# Altium PCB SmartIMU_I2C_Pcb.PcbDoc (continued)
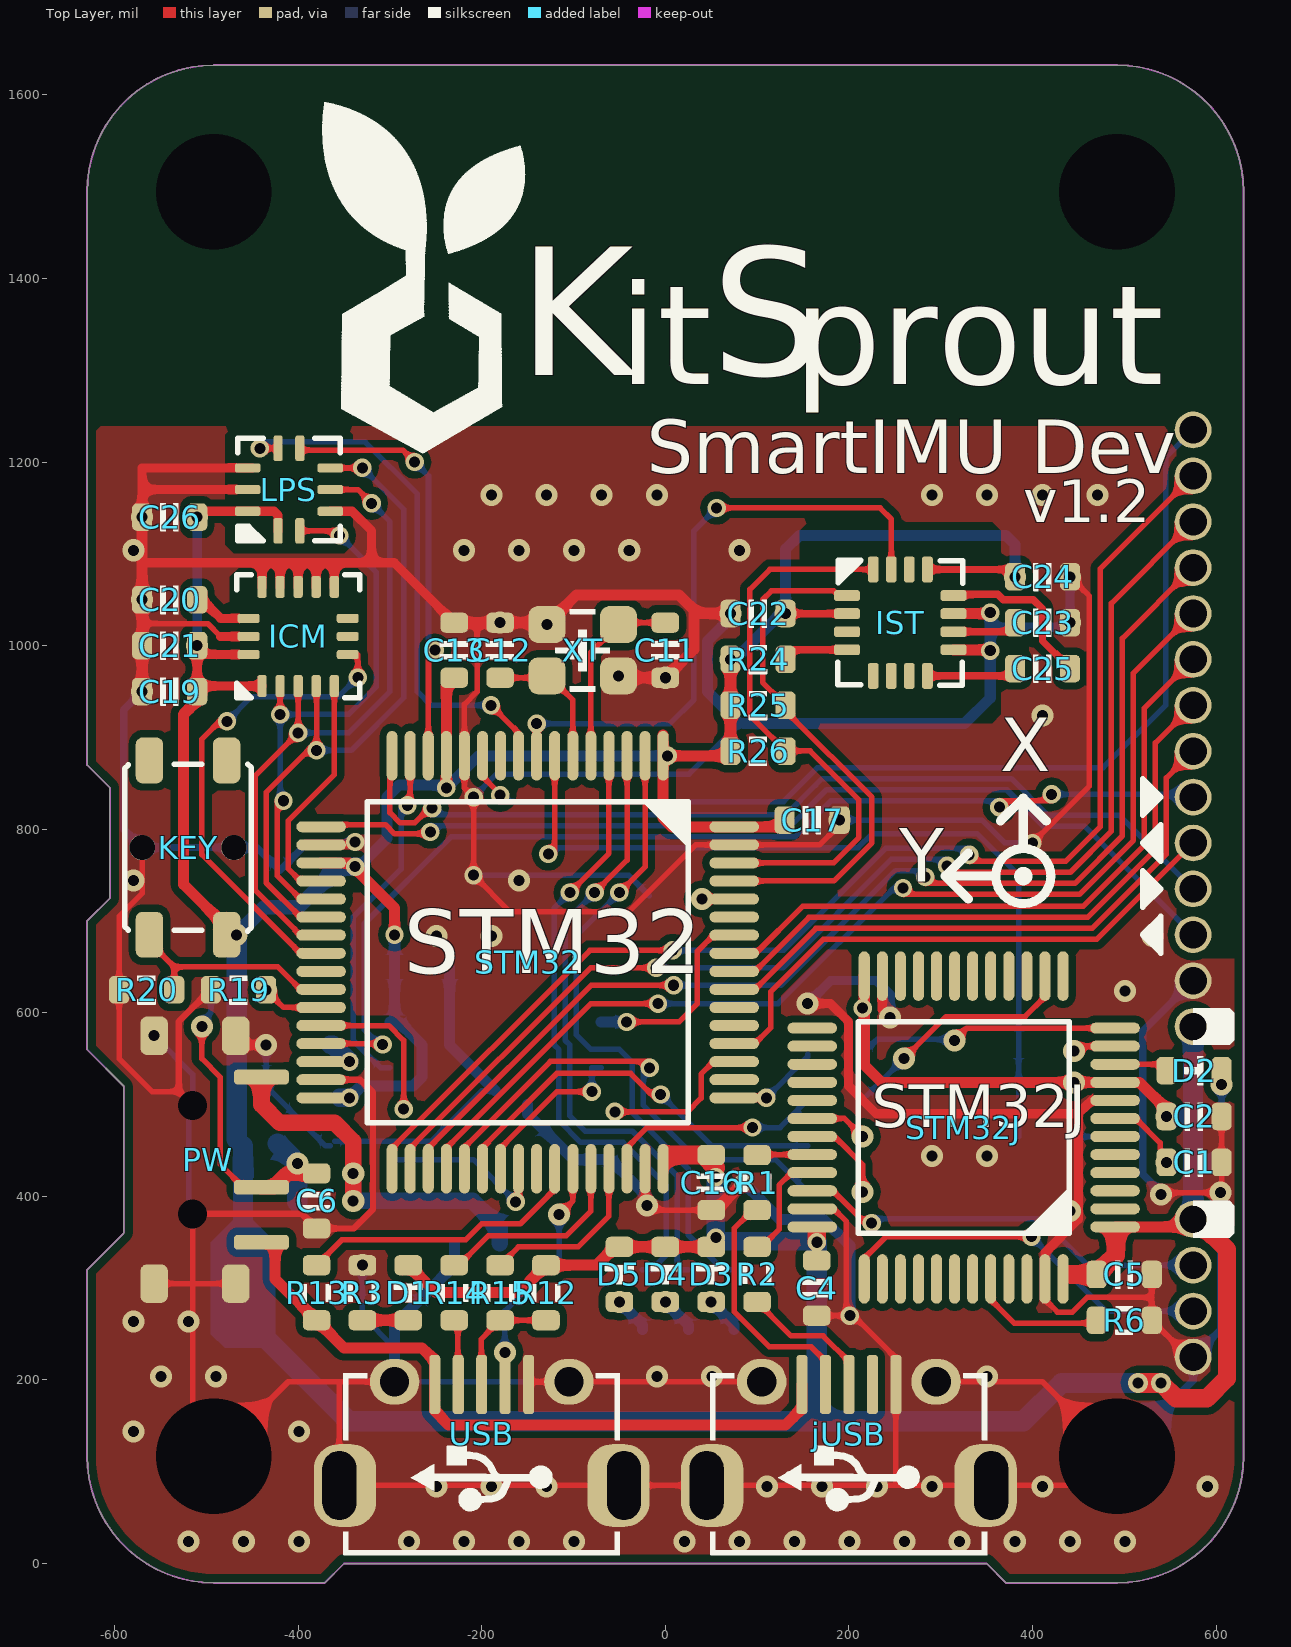
[diagram p0: Top Layer view]
## Footprints (in the part's own frame and the unit in brackets; to place one, negate y for a bottom-side part, rotate by r counter-clockwise, add the part's x,y. Pads: shape width x height; smd on the part's side, far side on the other; paste and mask are expansions set on the pad) (continued)
SOT89-3 [mil]
  rrect50% 60x22 smd: 1(-64,59.06) 3(-64,-59.06)
  rrect50% 60x24 smd: 2(-64,0)
  Top Layer region: -45,10 -20,35 80,35 95,20 95,-20 80,-35 -20,-35 -45,-10
  silkscreen extent -50,-90 50,90, body extent -83,-88 75,88, height 60
SwitchSPDT_2.8X6.6_90 [mil]
  rrect50% 42x30 smd: 0(-135,-42) 0(-135,47) 0(135,-42) 0(135,47)
  round 10 hole 31.5: 0(-59.06,0) 0(59.06,0)
  rrect50% 16x60 smd: 1(90,75) 2(30,75) 3(-90,75)
  body extent -152,-111 151,86, height 55
USB_Micro-AB [mil]
  rrect80% 68x90 hole 37 slot 75 at 90 deg copper offset 6,0 mask+0: 0(-155,10)
  oval 54x50 hole 32 mask+0: 0(-95,-103) 0(95,-103)
  rrect80% 68x90 hole 37 slot 75 at 90 deg copper offset -6,0 mask+0: 0(155,10)
  rrect50% 12x64 smd: 1(51.18,-100) 2(25.59,-100) 3(0,-100) 4(-25.59,-100) 5(-51.18,-100)
  silkscreen extent -150,-113 150,86, body extent -161,-109 161,104, height 108
XT_2520_4 [mil]
  rrect50% 40x40 smd: 1(39,28) 2(-39,28) 3(-39,-28) 4(39,-28)
  silkscreen extent -30,-44 30,44, body extent -49,-39 49,39, height 31

## Part data
BATIN: "MX"
C1 C2 C3 C4 C5 C6 C7 C8 C9 C10 C11 C12 C13 C14 C15 C16 C17 C18 C19 C20 C21 C22 C23 C24 C25 C26: "Capacitor"
D1 D2 D3 D4 D5: "LED"
ICM: "Sensor Motion"
IST: "Sensor Magnetometer"
jUSB USB: "USB"
KEY: "Button"
LPS: "Sensor Pressure"
PW: "Switch"
R1 R2 R3 R4 R5 R6 R7 R8 R9 R10 R11 R12 R13 R14 R15 R16 R17 R18 R19 R20 R21 R22 R23 R24 R25 R26: "Resistor"
STM32: library part STM32F412R/446R, "MCU"
STM32J: library part STM32F103C, "MCU"
W25Q: library part W25Q_8, "FLASH"
XC: "Power"
XT: "Crystal Oscillator"

## Free pads (board coordinates)
  round 115 hole 126 paste+0 mask+0: 0(-492.13,116.69) 0(492.13,116.69)
  round 115 hole 126 unplated paste+0 mask+0: 0(-492.13,1494.65) 0(492.13,1494.65)
  round 40 hole 30: 0(575,225) 0(575,275) 0(575,325) 0(575,375) 0(575,585) 0(575,635) 0(575,685) 0(575,735) 0(575,785) 0(575,835) 0(575,885) 0(575,935) 0(575,985) 0(575,1035) 0(575,1085) 0(575,1135) 0(575,1185) 0(575,1235)

## Via types
v1: diameter 24, hole 12, Top Layer to Bottom Layer, tented both sides, 103 vias
v2: diameter 20, hole 12, Top Layer to Bottom Layer, tented both sides, 63 vias
v3: diameter 22, hole 12, Top Layer to Bottom Layer, tented both sides, 2 vias

## Nets (pads, with @x,y where several pads share a name; then routed paths per layer and width w, separated by ;. In a path a pad name is that pad's centre, name@x,y a point inside that pad or via, vN(x,y) a via of type N, cw(c..) or ccw(c..) an arc to the next point about the centre after c; other vN are vias at no path point)
3V3: C2.2 C3.2 C4.2 C5.2 C8.2 C13.1 C14.1 C15.1 C16.1 C17.2 C18.1 C19.1 C21.1 C22.1 C24.1 C26.1 D1.1 D3.1 D4.1 D5.1 ICM.1 ICM.16 IST.2 IST.13 KEY.2 LPS.1 LPS.10 pad.0@575,375 pad.0@575,585 R4.2 R5.2 R12.1 R16.2 R24.2 R25.1 R26.1 STM32.1 STM32.13 STM32.19 STM32.32 STM32.48 STM32.64 STM32J.1 STM32J.9 STM32J.24 STM32J.36 STM32J.48 W25Q.8 XC.2 | length 6248.4
  Top Layer w8: C22.1@141,1034.84 IST.2 ; IST.13 373,1083 v1(381,1075)
  Top Layer w10: -498.62,1146.38 LPS.10 -426.38,1146.38 -421.81,1141.81 LPS.1 ; ICM.16 -500.31,990.31 v1(-510,1000) C19.1 -504,956 ICM.1
  Top Layer w12: C19.1 -510,940 -525,925 -525,740 -478,693 KEY.2 ; STM32.19 -344,763.27 -295,714.27 v2(-295,685) ; D1.1 -250,295 -160,295 R12.1 -75,325 -55,345 D5.1 D4.1 D3.1 ; v2(-238.58,845) STM32.13 -238.58,956.42 C13.1 ; STM32.1@-2.36,902.64 STM32.1 -2.36,812.36 7.36,802.64 STM32.64 C17.2@127.36,802.64 ; v2(2.64,880) 66,880 R26.1 R25.1 v1(71,985) ; STM32J.24 216.73,543.27 235.79,524.21 v1(445,524.21) STM32J.9 516.79,524.21 C2.2@546,495 ; STM32J.1@490.94,366.73 pad.0@566.73,366.73
  Top Layer w20: STM32.48@2,445 41,445 55,431 ; v2(165,350) 165,360.36 ; 439.64,315 C5.2 490.94,335.94 STM32J.1@490.94,361.73 ; v3(540,196.69) 556.69,180 590,180 612,202 612,341.9 pad.0@576.95,376.95
  Top Layer w22: v3(515,196.69) v3(540,196.69) ; pad.0@575,380 pad.0@577.48,377.18
  Bottom Layer w10: v1(-510,1000) v1(-510,1140)
  Bottom Layer w12: v2(-344,507.36) -331.36,520 -275,520 -265,530 -265,565 -290,590 W25Q.8@-295,590 ; v2@-334.19,763.08 v2@-334.11,763 ; -328.89,764 -303,789.89 -303,835.02 -290.02,848 v2@-238.58,848 ; W25Q.8 W25Q.8@-295,590 ; v2(-295,685) C18.1 W25Q.8@-295,590 ; v2(-238.58,845) -203.58,880 v2(2.64,880) ; v1@76,985 v1@126,1035 ; v1(131,1035) 131,1105 146,1120 371,1120 381,1110 v1(381,1075)
  Bottom Layer w16: v1(-467,685) -437,715 -400,715 C14.1 ; v1(546,487) 575,487 ; 575,437 R5.2
  Bottom Layer w20: C14.1@-355.73,759.27 v2(-338,759.27) ; C15.1@-354.8,507.36 v2(-344,507.36) ; v2(55,421) v2(55,355) 59,351 164,351 v2(165,350) ; R4.2@546,486 v1(546,487)
  Bottom Layer w22: C8.2@-467,462 v1(-467,685) ; C8.2@-460,455 XC.2 -460,270 -345,155 165,155 ; v2(165,350) 165,155 ; v3(540,196.69) v3(515,196.69) 431.69,196.69 390,155 165,155 ; pad.0@575,373 575,375 575,437 575,487 ; 575,488 pad.0@575,585
  other v2: 215,605
ADC: R18.2 R19.1 STM32.27 | length 68
  Top Layer w6: v1(-435,625) -415.79,605.79 STM32.27
BOOT: R17.2 STM32.60 | length 35
  Top Layer w6: v1(40,723.9) STM32.60
F_CLK: STM32.28 W25Q.6 | length 171.7
  Top Layer w6: STM32.28 -301.1,586.1 -285,570 v2(-285,495)
F_CS: STM32.58 W25Q.1 | length 217.6
  Top Layer w6: v2(-42.06,590) 15,590 35,610 35,667.06 52.47,684.53 STM32.58
  Bottom Layer w12: W25Q.1 v2(-42.06,590)
F_D0: STM32.40 W25Q.5 | length 193.4
  Top Layer w6: v2(-163,394) -159.84,397.16 STM32.40
  Bottom Layer w6: W25Q.5 -209,440 v2(-163,394)
F_D1: STM32.51 W25Q.3 | length 168.1
  Top Layer w6: v2(-55,492) 24,492 39,507 39,533.26 52.47,546.73 STM32.51
F_D2: STM32.39 W25Q.2 | length 183.6
  Top Layer w6: STM32.39 -179.53,452.66 -118.19,514 v2(-80,514)
  Bottom Layer w6: v2(-80,514) -80,540 W25Q.2
F_D3: STM32.15 W25Q.7 | length 382.2
  Top Layer w6: v2(-280.95,825.95) -277.95,828.95 STM32.15
  Bottom Layer w6: W25Q.7 -310,540 -340,570 -340,704.49 -287.95,756.54 v2@-287.95,822.95
GND: BATIN.0 BATIN.2 C1.1 C2.1 C3.1 C4.1 C5.1 C6.1 C7.1 C8.1 C9.1 C10.2 C11.2 C12.2 C13.2 C14.2 C15.2 C16.2 C17.1 C18.2 C19.2 C20.2 C21.2 C22.2 C23.2 C24.2 C26.2 ICM.9 ICM.10 ICM.11 ICM.12 ICM.13 ICM.15 IST.9 IST.11 jUSB.0 jUSB.5 KEY.0 LPS.3 LPS.8 LPS.9 pad.0@492.13,116.69 pad.0@575,225 pad.0@575,635 pad.0@-492.13,116.69 PW.0 R3.1 R6.1 R17.1 R19.2 R20.1 STM32.12 STM32.18 STM32.31 STM32.47 STM32.63 STM32J.8 STM32J.23 STM32J.35 STM32J.47 USB.0 USB.5 W25Q.4 W25Q.9 XC.1 XT.2 XT.4 | length 11687.2
  Top Layer w6: KEY.0@-570,780 -570,730 -595,705 R20.1 -595,550 -559.06,514.06 -530,514.06 ; -570,1024 -498.49,1024 -484.49,1010 ; PW.0@-557,305 -515,305 ; PW.0@-515,380.94 -515,305 ; PW.0@-468,305 -515,305 ; PW.0@-468,575 PW.0@-458,565 ; USB.0@-295.47,198 -355,198 ; v2(-209,750) -169,710 -40,710 32.95,782.95 STM32.63 167.95,782.95 C17.1@190,805 ; v2@-208.9,750 v2(-208.9,835) -218.9,845 STM32.12 -218.9,936.1 -205,950 -205,1025 ; USB.5 -145.82,198 -105,198 105,198 jUSB.0@105.47,198 ; STM32.47 -22.05,392.05 v1(-20,390) -15,385 C16.2 ; STM32J.35 183.58,386.42 196.94,373.06 v2@196.94,270 ; C4.1 v2@196.94,270 ; C17.1@190,805.27 v1(190,810) ; jUSB.0@295.47,198 410.82,198 pad.0@492.13,116.69 ; v2(400,785) 462,847 462,1054 v1(441,1075) ; STM32J.47 413.58,287.47 427.05,274 443.49,274 459.49,290 530,290 ; pad.0@492.13,142.13 pad.0@492.13,116.69 ; C5.1 530,290 ; v1@540,404 v1(605,404) ; pad.0@575,225 570,225 R6.1 530,290 ; v1@606,402 C1.1 C2.1 ; -515,305 -515,139.57 -492.13,116.69 -410.82,198 -355,198 ; -355,198 -355.47,197.53 -355.47,85 -355,85 -45,85 45,85 251.18,85 ; v2@196.94,270 v2(200.97,270) 205,270 251.18,223.82 jUSB.5 251.18,85 ; 251.18,85 355,85 460.43,85 pad.0@492.13,116.69
  Top Layer w7: PW.0@-515,380.94 -395.94,380.94 C6.1 -339.59,365 -318.5,386.09 -318.5,513.11 -332.44,527.05 STM32.31 ; PW.0@-515,499.06 -530,514.06 -530,590.41 -495.41,625 R19.2
  Top Layer w8: STM32.18 -342.05,782.95 v2@-338,787
  Top Layer w10: -570,1090.29 -439.37,1090.29 ; v1(-570,1140) -570,1170 ; -484.49,1010 ICM.15 ; PW.0@-458,565 v1(-435,565) ; LPS.9@-450,1170 LPS.9 -570,1170 ; LPS.8@-450,1193.62 LPS.8 -570,1193.62 -570,1170 ; ICM.13 -439.37,1090.29 ; ICM.12 -419.68,1090.29 ; ICM.11 -400,1090.29 ; ICM.10 -380.31,1090.29 ; LPS.3 -341.38,1146.38 -320,1125 -320,1090.29 ; ICM.9 -360.63,1090.29 ; C13.2 -295.29,1090.29 -320,1090.29 ; v1(155,610) 180,610 199.73,590.27 199.73,520.27 230,490 450,490 ; STM32J.23 236.42,603.58 v1(245,595) ; STM32J.47 413.58,338.58 450,375 450,490 ; STM32J.8 464.53,504.53 450,490 ; -439.37,1090.29 -419.68,1090.29 ; -419.68,1090.29 -400,1090.29 ; -400,1090.29 -380.31,1090.29 ; -380.31,1090.29 -360.63,1090.29 ; -360.63,1090.29 -320,1090.29
  Top Layer w12: v1(-570,950) C21.2 -570,1024 v1(-570,1050) -570,1090.29 v1(-570,1140) ; C13.2 -205,1025 v1(-180,1025) XT.2@-129,1025 ; v1(-129,1023) -97,1055 15,1055 35,1035 ; XT.4@-51,965 v1(0,965) 31,996 31,1035 35,1035 ; C16.2@52.5,382.5 v2(85,415) ; v1(71,1035) 35,1035 ; IST.9 v2@354,995.47 ; IST.11 v2@354,1034.84
  Bottom Layer w6: v1(-557,575) -515,533 -515,499.06 -519.06,495 XC.1 ; v1(-435,565) -435,520 C15.2 -370,455 C7.1 ; C7.1@-360,460 -255,460 -200,515 W25Q.9 ; v1(-330,325) -330,270 BATIN.0@-295,235 ; USB.0@-295,198 USB.0@-105,198 ; v2(-209,750) -40,750 R17.1@-17.5,727.5 ; v2(-208.9,835) -183.9,860 26,860 81,915 ; v1(190,810) 345,810 370,785 v2(400,785) ; C9.1 520,465
  Bottom Layer w8: v1(-570,950) -590,930 -590,800 -570,780 -470.01,780 -444.99,779.99 C14.2 -390,785 -340,785 v2@-336,789 ; pad.0@492.13,116.69 575,199.57 575,225 605,255 v1@605,401 ; v1@540,404 520,424 520,465 520,580 pad.0@575,635 ; v1@605,402 v1(605,404) v1@605,408
  Bottom Layer w10: v1(155,610) 180,635 230,635 245,620 v1(245,595) ; 354,1020 441,1020 v1(441,1025) v1(441,1075)
  Bottom Layer w12: USB.0@-295,198 -295,235 -295,260 -229.61,325.39 BATIN.2 ; C18.2 -235,565 W25Q.9 ; W25Q.9@-150,500 -150,490 -100,440 W25Q.4 -60,440 -20,400 v1(-20,390) ; v1@71,1030 46,1005 46,950 81,915 ; v2(85,415) 125,375 172.53,375 200.97,346.55 v2(200.97,270) ; 85,915 326,915 354,943 v2(354,994.47) 354,1020 v2(354,1035.84)
  other v1: -519.29,23.9 -459.29,23.9 -399.29,23.9 -279.29,23.9 -219.29,23.9 -159.29,23.9 -99.29,23.9 20.71,23.9 80.71,23.9 140.71,23.9 200.71,23.9 260.71,23.9 320.71,23.9 380.71,23.9 440.71,23.9 500.71,23.9 -249.29,83.9 -189.29,83.9 -129.29,83.9 110.71,83.9 170.71,83.9 230.71,83.9 290.71,83.9 410.71,83.9 590.71,83.9 -579.29,143.9 -399.29,143.9 -549.29,203.9 -489.29,203.9 -9.29,203.9 50.71,203.9 350.71,203.9 -579.29,263.9 -519.29,263.9 440.71,383.9 540,402 290.71,443.9 350.71,443.9 500.71,623.9 -249.29,683.9 -189.29,683.9 530.71,683.9 -579.29,743.9 -159.29,743.9 410.71,923.9 -51,967 -579.29,1103.9 -219.29,1103.9 -159.29,1103.9 -99.29,1103.9 -39.29,1103.9 80.71,1103.9 -189.29,1163.9 -129.29,1163.9 -69.29,1163.9 -9.29,1163.9 290.71,1163.9 350.71,1163.9 410.71,1163.9 470.71,1163.9
  other v2: -338,786
JBOOT: R6.2 STM32J.44 | length 148.6
  Top Layer w6: STM32J.44 354.53,287.47 380.1,261.9 R6.2@470,261.9
JRST: C9.2 R7.1 R16.1 STM32.7 | length 929.3
  Top Layer w6: v2@-120.47,773 STM32.7
  Bottom Layer w6: v2@-127.47,780 210,780 225,795 340,795 385,750 R7.1 R16.1 C9.2
  other v2: -127.47,773
JRX: R11.1 STM32.37 | length 522.9
  Top Layer w6: STM32.37 -218.9,453.29 -125.19,547 v2@-17,547
  Bottom Layer w6: v2@-24,540 -24,499 35,440 120,440 R11.1
  other v2: -17,540
JSC: R8.1 STM32.49 | length 101.3
  Top Layer w6: STM32.49 v2(110,507.36)
  Bottom Layer w6: v2(110,507.36) 155,552.36 R8.1
JSD: R9.1 STM32.46 | length 241.4
  Top Layer w6: STM32.46 -41.73,453.27 -20,475 v2(95,475)
  Bottom Layer w6: v2(95,475) 125,475 R9.1
JSWCLK: pad.0@575,275 STM32J.37 | length 417
  Top Layer w6: STM32J.37 216.73,332.53 240.2,356 v2(399,356)
  Bottom Layer w6: v2@404,351 480,275 pad.0@575,275
JSWDIO: pad.0@575,325 STM32J.34 | length 450.7
  Top Layer w6: STM32J.34 182.53,406.1 217.83,370.8 v2(224.8,370.8)
  Bottom Layer w6: v2@224.8,375.8 409.2,375.8 460,325 pad.0@575,325
JTX: R10.1 STM32.38 | length 446.5
  Top Layer w6: STM32.38 -199.21,452.98 -118.29,533.9 -37.9,533.9 v2@-10,506
  Bottom Layer w6: v2@-5,517 v2(-5,511) 51,455 R10.1
JUSB_DM: R1.2 STM32J.32 | length 61.1
  Top Layer w6: R1.2 100.47,445.47 STM32J.32 STM32J.32@160.94,445.47
JUSB_DP: R2.2 STM32J.33 | length 121.2
  Top Layer w6: R2.2@102.5,342.5 124,364 124,412.32 137.47,425.79 STM32J.33 STM32J.33@160.94,425.79
KEY: KEY.1 R20.2 STM32.26 | length 241.3
  Top Layer w6: KEY.1 -562,677 -535,650 ; R20.2 -535,650 ; STM32.26 -397.53,625.47 -422.06,650 -535,650
LED: D2.2 STM32J.10 | length 56.5
  Top Layer w6: STM32J.10 D2.2@544.9,543.9 ; D2.2@544.9,535.9 D2.2
LED_B: R23.2 STM32.4 | length 679
  Top Layer w6: v2(-104,731) -61.42,773.58 STM32.4
  Bottom Layer w6: v2(-104,731) -121,714 -121,564.94 -116,559.94 -116,482.64 -92.25,458.9 -45.87,458.9 1,412.03 1,336 -15,320 R23.2@-25,320
LED_G: R22.2 STM32.3 | length 680.5
  Top Layer w6: v2(-77,731) -41.73,766.27 STM32.3
  Bottom Layer w6: v2(-77,731) -109,699 -109,569.91 -104,564.91 -104,487.62 -87.41,471.02 -36.02,471.02 13,422 13,320 R22.2@25,320
LED_R: R21.2 STM32.2 | length 687.4
  Top Layer w6: v2(-50,731) -22.05,758.95 STM32.2
  Bottom Layer w6: v2(-50,731) -97,684 -97,576 -81,560 -50,560 -36,546 -36,491 25,430 25,358.13 63.13,320 R21.2@75,320
M_CSB: LPS.6 STM32.14 | length 456.8
  Top Layer w6: LPS.6@-398.19,1213 -286,1213 v2(-273,1200) ; STM32.14 v2@-258,995
  Bottom Layer w6: v2(-273,1200) -258,1185 v2@-258,995
  other v2: -251,995
M_CSM: ICM.5 STM32.20 | length 261.4
  Top Layer w6: STM32.20 -397.53,743.58 -411,757.05 -411,809 -360.63,859.37 ICM.5
M_INTB: LPS.7 STM32.9 | length 584.4
  Top Layer w6: v2(-441.81,1215) LPS.7 ; v2(-189.84,935) -159.84,905 STM32.9
  Bottom Layer w6: v2@-442,1222 -327,1222 -270,1165 -270,950 -255,935 v2(-189.84,935)
M_INTM: ICM.6 STM32.24 | length 531.6
  Top Layer w6: v2@-481.59,921.59 -505,898.19 -505,772.31 -397.53,664.84 STM32.24 ; ICM.6 -335.31,990.31 -335,990 v2(-335,965.31)
  Bottom Layer w6: v2(-477.5,917.5) -450.62,944.38 -355.94,944.38 v2(-335,965.31)
M_RDY: IST.15 STM32.8 | length 693.3
  Top Layer w6: STM32.8 v2(-140.16,915) v2@-135.16,920 ; v2(56,1150) 233.9,1150 246.16,1137.74 IST.15
  Bottom Layer w6: v2(-140.16,915) 5,915 31,941 31,1125 v2(56,1150)
M_SCK: ICM.2 LPS.2 STM32.21 | length 595.9
  Top Layer w6: v2@-423,831 -423,749.37 -397.53,723.9 STM32.21 ; v2(-419.68,925) ICM.2 ; LPS.2@-393.19,1125 v2@-362.7,1125
  Bottom Layer w6: v2(-416,831) -419.68,834.69 v2(-419.68,925) -345,925 -315,955 -315,1080 v2(-355,1120)
M_SCL: IST.1 R25.2 STM32.61 | length 577.8
  Top Layer w6: STM32.61 183.58,743.58 225,785 225,835 135,925 R25.2@135,935 ; R25.2 106,960 106,1050 115.53,1059.53 183.47,1059.53 188.47,1054.53 IST.1
M_SDA: IST.16 R26.2 STM32.62 | length 625.8
  Top Layer w6: STM32.62 183.27,763.27 211,791 211,832.03 157.73,885.3 R26.2@131.3,885.3 ; R26.2 92.25,923.75 92.25,1061.25 114,1083 IST.16
M_SDI: ICM.3 LPS.4 STM32.23 | length 712.1
  Top Layer w6: ICM.3 v2(-400,905) -447,858 -447,734 -397.53,684.53 STM32.23 ; LPS.4@-360,1170 -335,1170 v2(-320,1155)
  Bottom Layer w6: v2(-400,905) -345,905 -300,950 -300,1135 v2(-320,1155)
M_SDO: ICM.4 LPS.5 STM32.22 | length 725.5
  Top Layer w6: ICM.4@-380,956 -380,895 -435,840 -435,741.68 -397.53,704.21 STM32.22 ; LPS.5@-360,1193.62 v2@-335,1193.62
  Bottom Layer w6: v2(-380,886) -342.03,886 -285,943.03 -285,1148.62 v2(-330,1193.62)
NetC10_1: C10.1 STM32.30 | length 28.6
  Bottom Layer w20: C10.1 -362.27,565 v2(-344,546.73)
NetC20_1: C20.1 ICM.14 | length 64.4
  Top Layer w10: C20.1 -504.7,1050 -484.38,1029.69 ICM.14
NetC23_1: C23.1 IST.10 | length 69
  Top Layer w8: IST.10 C23.1@376.16,1015.16
  Top Layer w10: C23.1@376.16,1020.16 C23.1
NetC25_1: C25.1 IST.12 | length 181.5
  Top Layer w8: IST.12 315.32,1055.84 362.28,1055.84 368.13,1050 401,1050 411,1040 411,1005 C25.1
NetC25_2: C25.2 IST.8 | length 98.8
  Top Layer w8: IST.8 373,967 C25.2
NetD1_2: D1.2 R3.2 | length 50.5
  Top Layer w12: R3.2@-330.47,265 R3.2 D1.2
NetD2_1: D2.1 R4.1 | length 35
  Bottom Layer w6: R4.1 v1(606,522)
NetD3_2: D3.2 R21.1 | length 40.4
  Bottom Layer w12: v1(50,285) 75,260 R21.1
NetD4_2: D4.2 R22.1 | length 40.4
  Bottom Layer w12: v1(0,285) 25,260 R22.1
NetD5_2: D5.2 R23.1 | length 40.4
  Bottom Layer w12: v1(-50,285) -25,260 R23.1
NetIST_4: IST.4 R24.1 | length 71.3
  Top Layer w8: R24.1 141.47,995.47 IST.4
NetjUSB_2: jUSB.2 R1.1 | length 271.3
  Top Layer w6: R1.1 95,385 75,365 75,274.49 113.49,236 159,236 174.88,220.12 jUSB.2@174.88,195
NetjUSB_3: jUSB.3 R2.1 | length 175.5
  Top Layer w6: R2.1 137,248 172,248 200,220 jUSB.3 ; jUSB.3@200.47,195 jUSB.3@200.47,218.53
NetR7_2: R7.2 STM32J.11 | length 35
  Top Layer w6: v1@455,563.58 STM32J.11
  other v1: 445,558.58
NetR8_2: R8.2 STM32J.12 | length 287.1
  Top Layer w6: v1(315,570) 328.27,583.27 STM32J.12
  Bottom Layer w6: R8.2 231,571 v1@315,571
NetR9_2: R9.2 STM32J.14 | length 267.7
  Top Layer w6: v1(260,550) 305.9,595.9 392.01,595.9 413.58,617.47 STM32J.14
  Bottom Layer w6: R9.2 v1(260,550)
NetR10_2: R10.2 STM32J.30 | length 63.2
  Top Layer w6: STM32J.30 195.16,484.84 v1(215,465)
NetR11_2: R11.2 STM32J.31 | length 96.4
  Top Layer w6: STM32J.31@160.94,465.16 160.94,465 184.61,465 215,434.61 v1(215,405)
NetR12_2: R12.2 R15.2 USB.3 | length 123
  Top Layer w6: USB.3@-200.47,195 -200.47,244.53 R15.2 R12.2@-135.47,265
NetR14_2: R14.2 USB.2 | length 71.6
  Top Layer w6: R14.2 -226.06,261.06 USB.2@-226.06,195
PA2: pad.0@575,735 STM32.16 | length 1011.9
  Top Layer w6: STM32.16 -299.95,877.69 -299.95,818.08 -288.82,806.95 -273.05,806.95 v2@-257,823
  Bottom Layer w6: v2@-254,816 131.75,816 163.72,847.97 170.75,855 376.96,855 416.96,815 495,815 pad.0@575,735
  other v2: -254,823
PA3: pad.0@575,685 STM32.17 | length 1026.5
  Top Layer w6: STM32.17@-375,805 -305,805 -294.9,794.9 v2@-262.29,794.9
  Bottom Layer w6: v2@-256,804 133.72,804 ; 136.72,804 175.72,843 371.99,843 411.99,803 457,803 pad.0@575,685
  other v2: -256,797
PA8: STM32.41 | length 23
  Top Layer w6: STM32.41 STM32.41@-140.16,453.03
PA15: STM32.50
PB3: pad.0@575,885 STM32.55 | length 656.1
  Top Layer w6: STM32.55 97.53,625.47 164.06,692 465.03,692 546,772.97 546,856 pad.0@575,885
PB4: pad.0@575,935 STM32.56 | length 688
  Top Layer w6: STM32.56 97.53,645.16 156.37,704 460.06,704 534,777.94 534,894 pad.0@575,935
PB5: pad.0@575,985 STM32.57 | length 718.9
  Top Layer w6: STM32.57 STM32.57@97.53,664.84 ; STM32.57@98.53,664.84 149.69,716 455.09,716 522,782.91 522,932 pad.0@575,985
PB7: STM32.59
PB10: pad.0@575,835 STM32.29 | length 1168.6
  Top Layer w6: STM32.29 v2@-308,566.42 ; v2@364,831 v2@421,831
  Bottom Layer w6: v2(-308,565.42) -311.8,565.42 -328,581.62 -328,697 -233,792 141.69,792 180.69,831 v2@365,831 ; v2(421,838) pad.0@575,838
  other v2: 364,824
PB12: pad.0@575,1185 STM32.33 | length 1369.1
  Top Layer w6: STM32.33 -297.64,452.55 -82.29,667.9 ; -82.29,668 v2(8,668) ; v2@331,765 436.21,765 474,802.79 474,1084 pad.0@575,1185
  Bottom Layer w6: v2(8,668) 129,668 240,779 v2@331,779
  other v2: 331,772
PB13: pad.0@575,1135 STM32.34 | length 1309.4
  Top Layer w6: STM32.34 -277.95,452.55 -81.5,649 v2(-10,649) ; v2@307,753 441.18,753 486,797.82 486,1046 pad.0@575,1135
  Bottom Layer w6: v2(-10,649) 128,649 246,767 v2@307,767
  other v2: 307,760
PB14: pad.0@575,1085 STM32.35 | length 1241.6
  Top Layer w6: STM32.35 -258.27,452.55 -80.9,629.92 v2@1,629.92 ; v2@283,741 446.15,741 498,792.85 498,1008 pad.0@575,1085
  Bottom Layer w6: v2(9,630) 126,630 251,755 v2@283,755
  other v2: 283,748
PB15: pad.0@575,1035 STM32.36 | length 1176
  Top Layer w6: STM32.36 -238.58,452.55 -81.13,610 v2@-16.13,610 ; v2@259,728.9 451.02,728.9 510,787.88 510,970 pad.0@575,1035
  Bottom Layer w6: v2(-8,610) 123,610 v2@254,741
  other v2: 259,735.9
PC2: STM32.10
PC3: pad.0@575,1235 STM32.11 | length 1131.5
  Top Layer w6: STM32.11 -199.21,857.47 v2@-179.37,837.63
  Bottom Layer w6: v2@-180,830 128.78,830 165.78,867 477,867 545,935 545,1205 pad.0@575,1235
  other v2: -180,837
PC5: STM32.25
PC11: pad.0@575,785 STM32.52 | length 613.5
  Top Layer w6: STM32.52 97.53,566.42 115,583.89 115,623 172,680 470,680 pad.0@575,785
PC12: STM32.53
PD2: STM32.54
RST: C1.2 R5.1 STM32J.7 | length 84.2
  Top Layer w6: STM32J.7 512.53,484.84 539,458.37 539,452 546,445 v1(546,437)
USB_DM: R14.1 STM32.44 | length 217.9
  Top Layer w6: R14.1@-227.5,322.5 -193,357 -108,357 -81.1,383.9 STM32.44
USB_DP: R15.1 STM32.45 | length 192.2
  Top Layer w6: R15.1 -160,345 -95,345 -61.42,378.58 STM32.45
USB_ID: STM32.43 USB.4 | length 230.7
  Top Layer w6: v1(-115.79,380) -100.79,395 STM32.43
  Bottom Layer w6: v1(-174.88,230) -174.88,275.12 -115.79,334.21 v1(-115.79,380)
USB_VB: R13.1 STM32.42 | length 316.7
  Top Layer w6: R13.1@-380.47,325 R13.1 -352.5,352.5 -217.5,352.5 -200.1,369.9 -158.05,369.9 -120.47,407.47 STM32.42
VBAT: BATIN.1 PW.3 | length 424.8
  Top Layer w18: PW.3@-440,525 -440,500 -420,480 -360,480 -340,460 v1(-340,425) v1(-340,395)
  Bottom Layer w18: v1(-340,425) v1(-340,395) -210,395 -180.39,365.39 BATIN.1
VIN: C6.2 C7.2 PW.2 R18.1 XC.3 | length 391.4
  Top Layer w6: v1(-505,585) -505,550 -485,530 -485,435 -460,410 PW.2
  Top Layer w16: PW.2 -426.89,410 -411.89,425 C6.2
  Bottom Layer w6: v1@-505,590 -495,600 R18.1
  Bottom Layer w22: C7.2@-422.5,457.5 v1(-400.94,435.94) XC.3
VUSB: jUSB.1 PW.1 R13.2 USB.1 | length 761.4
  Top Layer w12: PW.1@-440.94,350 PW.1 -425,350 -425,310 R13.2 -350,235 -265,235 -251.65,221.65 -251.65,166.65 -236,151 131,151 148.82,168.82 jUSB.1
XT_I: C11.1 STM32.5 XT.1 | length 207.3
  Top Layer w6: STM32.5 -81.1,992.9 XT.1 -49,1025 C11.1
XT_O: C12.1 STM32.6 XT.3 | length 150
  Top Layer w6: C12.1 -125,965 -100.79,940.79 STM32.6
pads on no net: ICM.7 ICM.8 IST.3 IST.5 IST.6 IST.7 IST.14 jUSB.4 KEY.3 KEY.4 STM32J.2 STM32J.3 STM32J.4 STM32J.5 STM32J.6 STM32J.13 STM32J.15 STM32J.16 STM32J.17 STM32J.18 STM32J.19 STM32J.20 STM32J.21 STM32J.22 STM32J.25 STM32J.26 STM32J.27 STM32J.28 STM32J.29 STM32J.38 STM32J.39 STM32J.40 STM32J.41 STM32J.42 STM32J.43 STM32J.45 STM32J.46

## Polygon pours and split planes (outlines as drawn)
no net on Keep-Out Layer "GND_L01_P-001" (none, remove dead copper): -629.92,116.69 -629.92,320.08 -590,360 -590,520 -629.92,559.92 -629.92,700.08 -605,725 -605,845 -629.92,869.92 -629.92,1494.57 cw(c-492.13,1494.57) -492.13,1632.36 -492.05,1632.44 492.13,1632.44 cw(c492.13,1494.65) 629.92,1494.65 629.92,116.69 cw(c492.13,116.69) 492.13,-21.1 371.1,-21.1 350,0 -350,0 -371.1,-21.1 -492.13,-21.1 cw(c-492.13,116.69)
GND on Top Layer "GND_L01_P002" (solid, remove dead copper, pour order 2): -629.92,116.69 -629.92,320.08 -590,360 -590,520 -629.92,559.92 -629.92,700.08 -605,725 -605,845 -629.92,869.92 -629.92,1494.57 cw(c-492.13,1494.57) -492.13,1632.36 -492.05,1632.44 492.13,1632.44 cw(c492.13,1494.65) 629.92,1494.65 629.92,116.69 cw(c492.13,116.69) 492.13,-21.1 371.1,-21.1 350,0 -350,0 -371.1,-21.1 -492.13,-21.1 cw(c-492.13,116.69)
GND on Bottom Layer "GND_L02_P003" (solid, remove dead copper, pour order 3): -629.92,116.69 -629.92,320.08 -590,360 -590,520 -629.92,559.92 -629.92,700.08 -605,725 -605,845 -629.92,869.92 -629.92,1494.57 cw(c-492.13,1494.57) -492.13,1632.36 -492.05,1632.44 492.13,1632.44 cw(c492.13,1494.65) 629.92,1494.65 629.92,116.69 cw(c492.13,116.69) 492.13,-21.1 371.1,-21.1 350,0 -350,0 -371.1,-21.1 -492.13,-21.1 cw(c-492.13,116.69)

## Other copper
Top Layer:
  pour cut-out: 146,1125 146,925 156,915 356,915 366,925 366,1125 356,1135 156,1135
  pour cut-out: -465,1085 -475,1075 -475,945 -465,935 -335,935 -325,945 -325,1075 -335,1085
  pour cut-out: -470,1240 -480,1230 -480,1110 -470,1100 -350,1100 -340,1110 -340,1230 -350,1240
Bottom Layer:
  pour cut-out: 171,1100 171,950 181,940 331,940 341,950 341,1100 331,1110 181,1110
Multi-Layer:
  pour cut-out: 629.92,1235 575,1235 575,685 580,680 580,658.9 629.92,658.9
  pour cut-out: -616.26,1238.74 -629.92,1225.08 -629.92,1494.57 cw(c-492.13,1494.57) -492.13,1632.36 492.13,1632.44 cw(c492.13,1494.65) 629.92,1494.65 629.92,1225.08 616.26,1238.74

## Silkscreen, mask and mechanical layers (free items; w line width, h text height)
Top Overlay:
  drawing of 3313 lines, arcs and shapes, not listed
  text "K" at -160,1248.9 h240
  text "it" at -50,1248.9 h188
  text "S" at 50,1248.9 h240
  text "prout" at 140,1248.9 h188
  text "SmartIMU Dev" at -20,1168.9 h100
  text "v1.2" at 390,1118.9 h80
  text "X" at 365,843.9 h100
  text "Y" at 255,723.9 h100
  text "STM32" at -285,620 h120
  text "STM32J" at 225,460 h80
Bottom Overlay:
  drawing of 3461 lines, arcs and shapes, not listed
  text "C3" at 535.06,1214.59 h60
  text "B12" at 535.06,1164.59 h60
  text "B13" at 535.06,1114.59 h60
  text "B14" at 535.06,1064.59 h60
  text "B15" at 535.06,1014.59 h60
  text "B5" at 535.06,964.59 h60
  text "B4" at 535.06,914.59 h60
  text "B3" at 535.06,864.59 h60
  text "B10" at 535.06,814.59 h60
  text "C11" at 535.06,764.59 h60
  text "A2" at 535.06,714.59 h60
  text "A3" at 535.06,664.59 h60
  text "GD" at 535.06,614.59 h60
  text "3V" at 535.06,564.59 h60
  text "+" at -55,390 h120 r90
Mechanical 1:
  lines w2: -629.92,559.92 -590,520 -590,360 -629.92,320.08 -629.92,116.69 ccw(c-492.13,116.69) -492.13,-21.1 -371.1,-21.1 -350,0 350,0 371.1,-21.1 492.13,-21.1 ccw(c492.13,116.69) 629.92,116.69 629.92,1494.65 ccw(c492.13,1494.65) 492.13,1632.44 -492.05,1632.44 -492.13,1632.36 ccw(c-492.13,1494.57) -629.92,1494.57 -629.92,869.92 -605,845 -605,725 -629.92,700.08 -629.92,559.92 ; -629.92,559.92 -629.92,559.92
Mechanical 13:
  lines w2: 0,0 0,-21.1 5,-21.1
T-Component:
  circle w2: c-492.13,116.69 r137.8
  circle w2: c492.13,116.69 r137.8
  circle w2: c-492.13,1494.65 r137.8
  circle w2: c492.13,1494.65 r137.8

## Dimensions
492.13,1494.65 to -492.13,1494.65 on Mechanical 13
492.13,1494.65 to 492.13,116.69 on Mechanical 13
492.13,1632.44 to 492.13,-21.1 on Mechanical 13
-629.92,1494.57 to 629.92,1494.65 on Mechanical 13